# Allegro board FEE5_10_30.brd (continued)
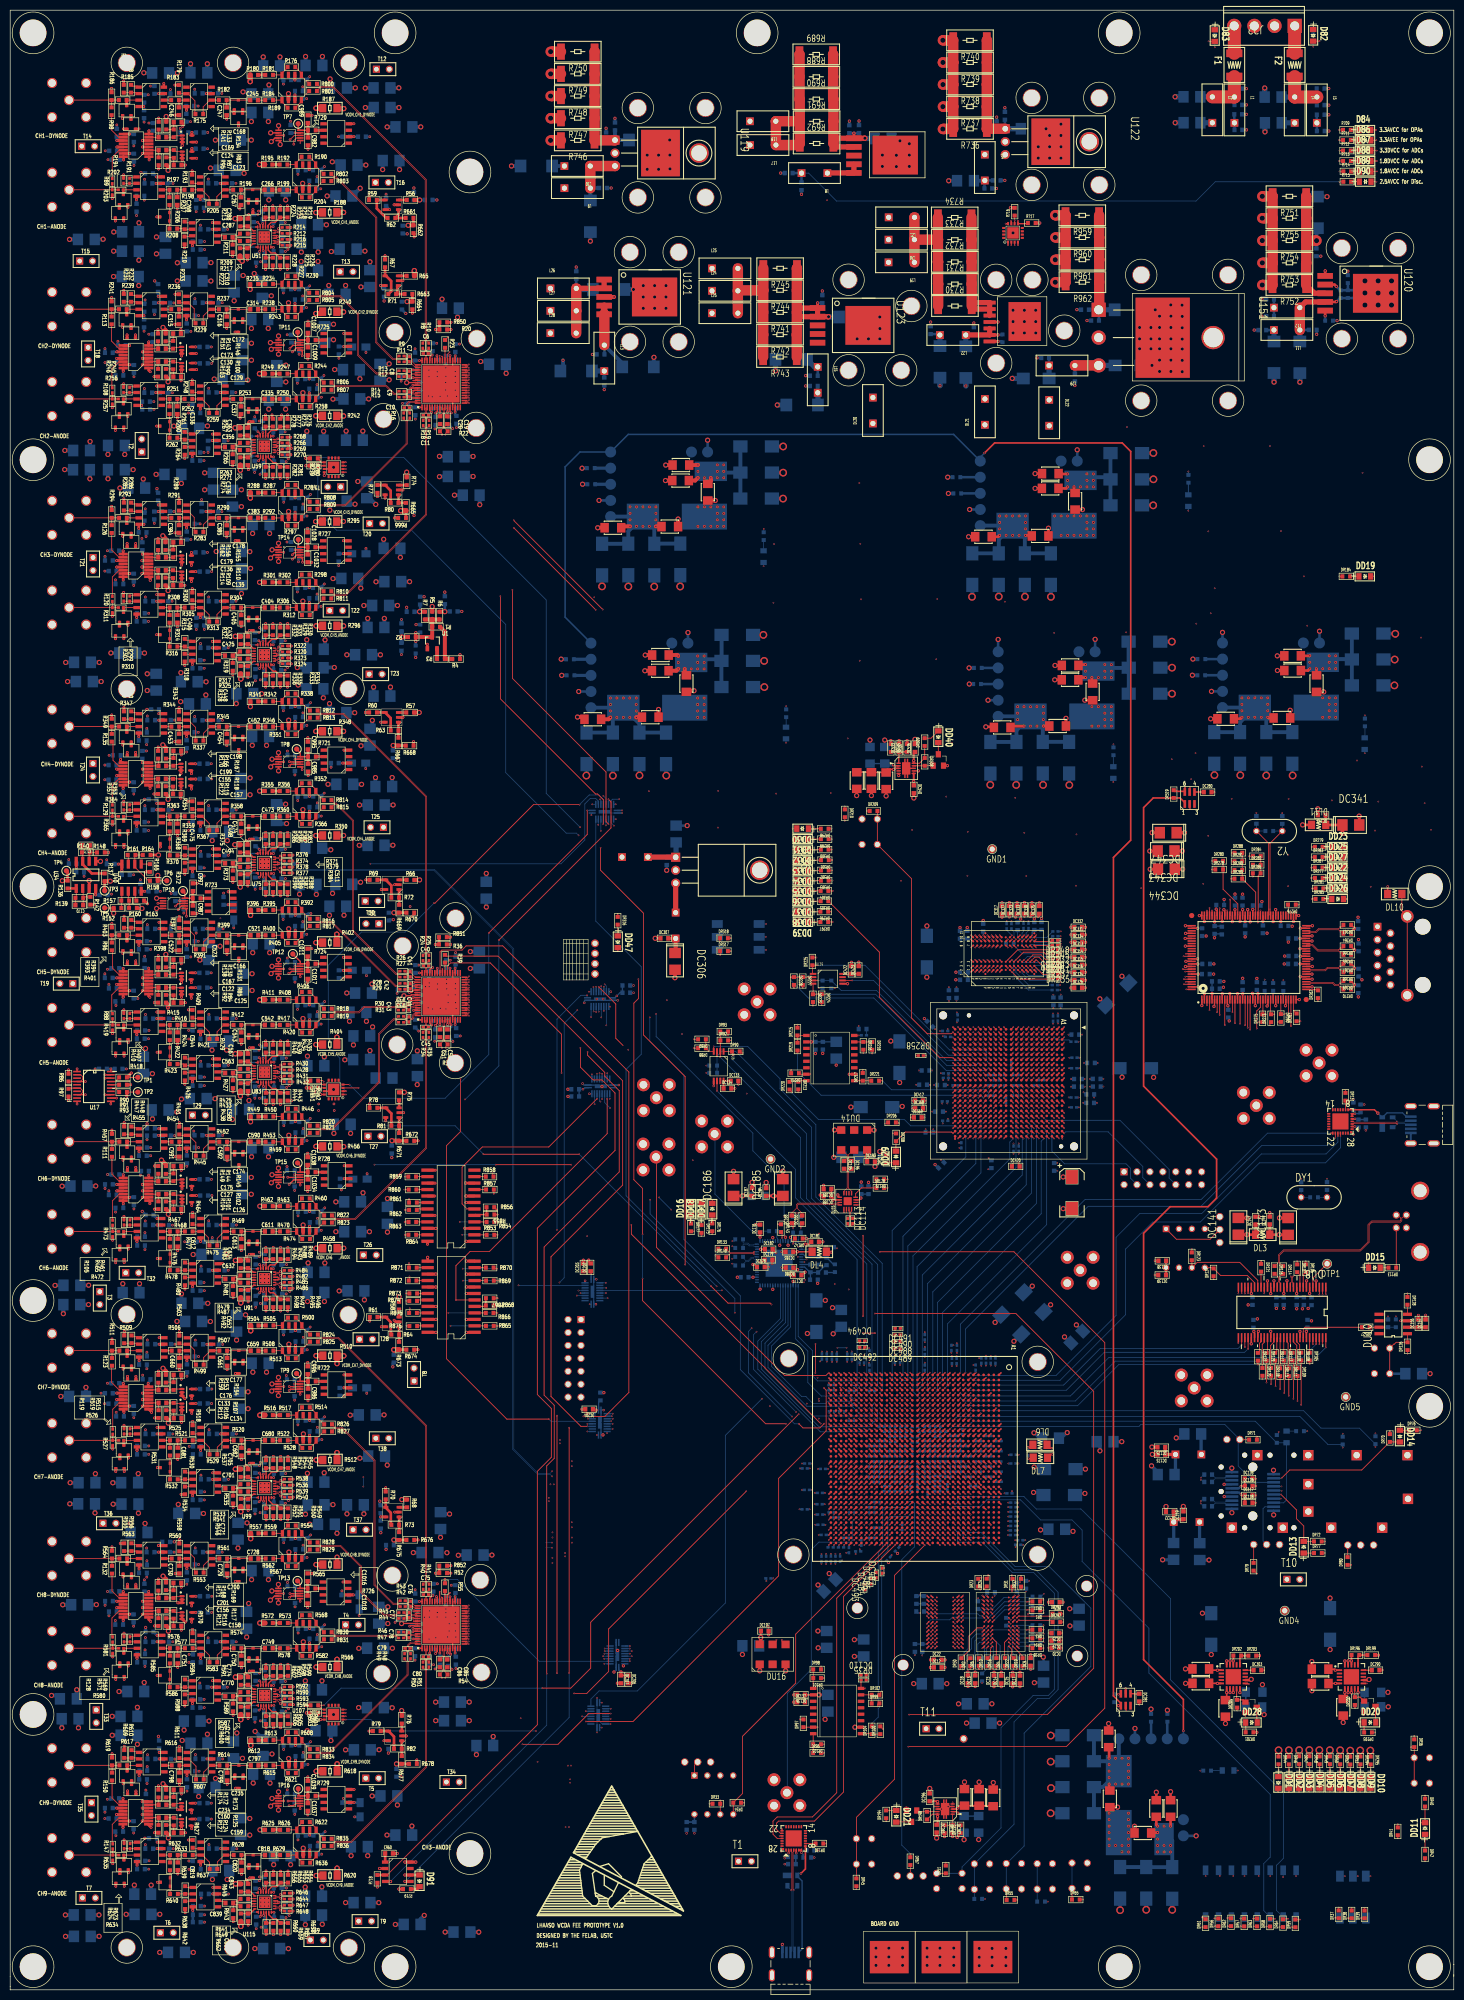
[diagram p0: board, top side]
## Placement (name value [footprint] x y rotation side) (continued)
C240  0.01uF  [SC0603]  20.65 200.59 0 bottom
C241  0.01uF  [SC0603]  20.15 196.64 0 bottom
C242  0.01uF  [SC0603]  20.68 160.09 0 bottom
C243  0.01uF  [SC0603]  26.48 160.79 0 bottom
C244  0.01uF  [SC0603]  20.14 156.08 0 bottom
C245  10nF  [SC0603]  47.91 371.06 0 top
C246  100p  [SC0603]  33.15 368.9 270 top
C247  100p  [SC0603]  42.53 368.87 270 top
C248  0.01uF  [SC0603]  37.02 372.39 180 bottom
C249  0.1uF  [SC0603]  40.04 372.39 0 bottom
C251  0.01uF  [SC0603]  56.7 372.85 0 bottom
C252  0.01uF  [SC0603]  30.72 372.31 0 bottom
C253  0.1uF  [SC0603]  28.35 373.07 90 bottom
C255  0.1uF  [SC0603]  56.7 371.35 0 bottom
C257  0.01uF  [SC0603]  26.3 371.35 90 bottom
C258  0.1uF  [SC0603]  26.3 368.3 270 bottom
C259  10uF  [STC3528]  69.11 17.12 180 bottom
C260  0.01uF  [SC0603]  35.37 369.9 0 bottom
C261  0.1uF  [SC0603]  34.6 367.59 270 bottom
C263  0.01uF  [SC0603]  57.44 375.03 0 bottom
C264  0.1uF  [SC0603]  54.44 375.03 180 bottom
C266  10nF  [SC0603]  50.73 353.46 0 top
C267  100p  [SC0603]  45.33 351.24 270 top
C268  100p  [SC0603]  32.82 351.25 270 top
C269  0.01uF  [SC0603]  59.47 353.65 0 bottom
C270  0.1uF  [SC0603]  59.52 355.22 0 bottom
C272  0.01uF  [SC0603]  39.68 354.74 180 bottom
C273  0.1uF  [SC0603]  42.81 354.74 0 bottom
C275  0.01uF  [SC0603]  60.26 357.33 0 bottom
C276  0.1uF  [SC0603]  57.29 357.33 180 bottom
C278  0.01uF  [SC0603]  36.53 350.7 270 bottom
C279  0.1uF  [SC0603]  38.08 350.7 270 bottom
C281  0.01uF  [SC0603]  27.16 354.71 180 bottom
C282  0.1uF  [SC0603]  30.16 354.71 0 bottom
C284  0.01uF  [SC0603]  24.82 349.94 270 bottom
C285  0.1uF  [SC0603]  25.59 352.25 0 bottom
C287  1n  [SC0603]  42.94 344.13 0 top
C288  10nF  [SC0603]  46.64 347.04 270 top
C289  0.01uF  [SC0603]  38.13 345.7 180 bottom
C291  0.1uF  [SC0603]  41.18 345.7 0 bottom
C292  0.01uF  [SC0603]  36.61 343.31 0 bottom
C293  0.1uF  [SC0603]  36.64 341.71 0 bottom
C295  0.01uF  [SC0603]  47.84 347.88 90 bottom
C296  0.1uF  [SC0603]  48.32 339.93 270 bottom
C298  0.01uF  [SC0603]  49.62 348.41 90 bottom
C299  0.1uF  [SC0603]  50 340.08 270 bottom
C301  0.01uF  [SC0603]  52.49 347.04 0 bottom
C302  0.1uF  [SC0603]  52.51 341.35 0 bottom
C303  10uF  [STC3528]  73.45 179.04 0 bottom
C304  0.01uF  [SC0603]  72.79 94.37 90 bottom
C310  10nF  [SC0603]  46.59 341.23 90 top
C311  0.01uF  [SC0603]  53.63 343.46 270 bottom
C314  10nF  [SC0603]  47.92 329.99 0 top
C315  100p  [SC0603]  33.16 327.83 270 top
C316  100p  [SC0603]  42.54 327.81 270 top
C317  0.01uF  [SC0603]  40.12 331.3 0 bottom
C318  0.1uF  [SC0603]  37.04 331.27 180 bottom
C319  10uF  [STC3528]  49.11 123.05 180 bottom
C320  0.01uF  [SC0603]  56.68 330.3 0 bottom
C321  0.1uF  [SC0603]  56.7 331.9 0 bottom
C322  0.01uF  [SC0603]  28.33 330.48 270 bottom
C323  0.1uF  [SC0603]  30.62 331.24 0 bottom
C324  10uF  [STC3528]  41.29 186.31 180 bottom
C325  10uF  [STC3528]  74.1 152.08 270 bottom
C326  0.01uF  [SC0603]  26.32 330.28 90 bottom
C327  0.1uF  [SC0603]  26.3 327.23 270 bottom
C328  0.01uF  [SC0603]  35.47 328.76 0 bottom
C329  0.1uF  [SC0603]  34.68 326.42 270 bottom
C330  10uF  [STC3528]  39.98 296.24 90 bottom
C331  0.01uF  [SC0603]  57.51 333.96 0 bottom
C332  0.1uF  [SC0603]  54.42 333.96 180 bottom
C333  10uF  [STC3528]  43.38 316.29 180 bottom
C334  10uF  [STC3528]  23.52 95.38 180 bottom
C335  10nF  [SC0603]  50.74 312.39 0 top
C336  100p  [SC0603]  32.83 310.19 270 top
C337  100p  [SC0603]  45.34 310.17 270 top
C338  0.01uF  [SC0603]  59.6 312.73 0 bottom
C339  0.1uF  [SC0603]  59.52 314.38 0 bottom
C340  10uF  [STC3528]  23.47 99.59 180 bottom
C341  0.01uF  [SC0603]  42.83 313.67 0 bottom
C342  0.1uF  [SC0603]  39.76 313.67 180 bottom
C343  10uF  [STC3528]  44.46 130.89 90 bottom
C344  0.01uF  [SC0603]  60.28 316.33 0 bottom
C345  0.1uF  [SC0603]  57.18 316.31 180 bottom
C346  10uF  [STC3528]  46.43 72.57 90 bottom
C347  0.01uF  [SC0603]  36.61 311.23 180 bottom
C348  0.1uF  [SC0603]  36.59 309.63 180 bottom
C349  10uF  [STC3528]  44.95 115.76 90 bottom
C350  0.01uF  [SC0603]  30.18 313.59 0 bottom
C351  0.1uF  [SC0603]  27.11 313.62 180 bottom
C352  10uF  [STC3528]  43.86 47.13 90 bottom
C353  0.01uF  [SC0603]  26.68 311.86 0 bottom
C354  0.1uF  [SC0603]  26.7 310.34 0 bottom
C355  10uF  [STC3528]  44.76 90.05 90 bottom
C356  1n  [SC0603]  42.95 302.96 0 top
C357  0.01uF  [SC0603]  41.26 304.19 0 bottom
C358  0.1uF  [SC0603]  38.87 303.43 270 bottom
C359  0.01uF  [SC0603]  48.04 307.39 90 bottom
C360  0.1uF  [SC0603]  48.02 299.47 270 bottom
C361  10uF  [STC3528]  49.07 82.32 180 bottom
C362  10uF  [STC3528]  26.09 14.81 180 bottom
C363  10nF  [SC0603]  46.62 305.97 270 top
C364  0.01uF  [SC0603]  49.64 307.29 90 bottom
C365  0.1uF  [SC0603]  49.82 298.96 270 bottom
C366  10uF  [STC3528]  51.36 8.1 180 bottom
C367  0.01uF  [SC0603]  36.53 301.88 0 bottom
C368  0.1uF  [SC0603]  36.53 300.28 0 bottom
C369  10uF  [STC3528]  26.16 181.55 90 bottom
C370  0.01uF  [SC0603]  53.7 302.29 270 bottom
C371  0.1uF  [SC0603]  52.46 305.92 0 bottom
C372  10uF  [STC3528]  59.61 18.37 180 bottom
C375  10uF  [STC3528]  26.03 18.78 180 bottom
C376  10nF  [SC0603]  46.67 300.15 90 top
C379  10uF  [STC3528]  14.14 14.71 180 bottom
C380  0.01uF  [SC0603]  52.61 300.08 0 bottom
C382  10uF  [STC3528]  59.62 14.67 180 bottom
C383  10nF  [SC0603]  47.94 289.02 0 top
C384  100p  [SC0603]  33.18 286.86 270 top
C385  100p  [SC0603]  42.55 286.83 270 top
C386  0.01uF  [SC0603]  37.6 291.06 90 bottom
C387  0.1uF  [SC0603]  40.04 290.27 0 bottom
C388  0.01uF  [SC0603]  56.75 290.93 0 bottom
C389  0.1uF  [SC0603]  56.75 289.41 0 bottom
C390  0.01uF  [SC0603]  28.3 289.51 270 bottom
C391  0.1uF  [SC0603]  30.62 290.3 0 bottom
C392  10uF  [STC3528]  73.03 254.04 180 bottom
C393  10uF  [STC3528]  42.64 357.3 180 bottom
C394  10uF  [STC3528]  67.27 148.87 180 bottom
C395  0.01uF  [SC0603]  35.47 287.86 0 bottom
C396  0.1uF  [SC0603]  34.68 285.55 270 bottom
C397  10uF  [STC3528]  78.96 12.83 180 bottom
C398  0.01uF  [SC0603]  57.51 292.94 0 bottom
C399  0.1uF  [SC0603]  54.49 292.94 180 bottom
C400  10uF  [STC3528]  45.74 197.88 90 bottom
C401  0.01uF  [SC0603]  26.37 289.26 90 bottom
C402  0.1uF  [SC0603]  26.02 286.18 0 bottom
C403  10uF  [STC3528]  64.36 212.77 180 bottom
C404  10nF  [SC0603]  50.75 271.42 0 top
C405  100p  [SC0603]  45.36 269.2 270 top
C406  100p  [SC0603]  32.85 269.21 270 top
C407  0.01uF  [SC0603]  59.52 273.26 0 bottom
C408  0.1uF  [SC0603]  59.52 271.66 0 bottom
C409  10uF  [STC3528]  45.58 157.89 90 bottom
C410  0.01uF  [SC0603]  39.76 272.67 180 bottom
C411  0.1uF  [SC0603]  42.81 272.67 0 bottom
C412  10uF  [STC3528]  52.33 231.17 90 bottom
C413  0.01uF  [SC0603]  57.18 275.31 180 bottom
C414  0.1uF  [SC0603]  60.26 275.31 0 bottom
C415  10uF  [STC3528]  34.67 93.55 180 bottom
C416  0.01uF  [SC0603]  36.56 268.66 270 bottom
C417  0.1uF  [SC0603]  38.13 268.68 270 bottom
C418  10uF  [STC3528]  67.83 95.24 180 bottom
C419  0.01uF  [SC0603]  27.31 272.67 180 bottom
C420  0.1uF  [SC0603]  30.26 272.67 0 bottom
C421  10uF  [STC3528]  38.68 39.74 180 bottom
C422  0.01uF  [SC0603]  25.66 270.31 0 bottom
C423  0.1uF  [SC0603]  25.61 268.71 0 bottom
C424  10uF  [STC3528]  75 283.06 180 bottom
C425  1n  [SC0603]  42.96 261.99 0 top
C426  0.01uF  [SC0603]  48.08 265.79 90 bottom
C427  0.1uF  [SC0603]  48.17 258.59 270 bottom
C428  10uF  [STC3528]  61.64 50.89 180 bottom
C429  0.01uF  [SC0603]  38.14 263.52 180 bottom
C430  0.1uF  [SC0603]  41.29 263.51 0 bottom
C431  10uF  [STC3528]  15.08 99.57 180 bottom
C432  10nF  [SC0603]  46.69 265 270 top
C433  0.01uF  [SC0603]  49.84 266.34 90 bottom
C434  0.1uF  [SC0603]  49.95 257.99 270 bottom
C435  10uF  [STC3528]  15.01 95.43 180 bottom
C436  0.01uF  [SC0603]  36.56 261.08 0 bottom
C437  0.1uF  [SC0603]  36.57 259.5 0 bottom
C438  10uF  [STC3528]  35.29 134.81 180 bottom
C439  0.01uF  [SC0603]  52.49 264.9 0 bottom
C440  0.1uF  [SC0603]  52.46 259.15 0 bottom
C441  10uF  [STC3528]  60.09 95.23 180 bottom
C444  10uF  [STC3528]  72.78 271.83 180 bottom
C445  0.01uF  [SC0603]  247.5 331.94 180 bottom
C447  10uF  [STC3528]  67.27 154.73 180 bottom
C448  10nF  [SC0603]  46.69 259.18 90 top
C449  0.01uF  [SC0603]  53.77 261.36 270 bottom
C451  10uF  [STC3528]  60.08 99.69 180 bottom
C452  10nF  [SC0603]  47.95 248.04 0 top
C453  100p  [SC0603]  33.19 245.87 270 top
C454  100p  [SC0603]  42.56 245.85 270 top
C455  0.01uF  [SC0603]  40.16 249.3 0 bottom
C456  0.1uF  [SC0603]  37 249.29 180 bottom
C457  10uF  [STC3528]  30.51 342.55 270 bottom
C458  0.01uF  [SC0603]  56.74 249.9 0 bottom
C459  0.1uF  [SC0603]  56.73 248.28 0 bottom
C460  10uF  [STC3528]  36.03 131.25 180 bottom
C461  0.01uF  [SC0603]  30.78 249.32 0 bottom
C462  0.1uF  [SC0603]  27.7 249.31 180 bottom
C463  10uF  [STC3528]  12.09 134.54 180 bottom
C464  0.01uF  [SC0603]  35.45 246.93 0 bottom
C465  0.1uF  [SC0603]  34.65 244.6 270 bottom
C466  10uF  [STC3528]  69.43 262.16 180 bottom
C467  0.01uF  [SC0603]  54.42 251.97 180 bottom
C468  0.1uF  [SC0603]  57.54 251.97 0 bottom
C469  0.01uF  [SC0603]  26.09 246.89 0 bottom
C470  0.1uF  [SC0603]  26.04 245.32 0 bottom
C471  10uF  [STC3528]  65.23 169.95 180 bottom
C472  10uF  [STC3528]  11.42 57.14 180 bottom
C473  10nF  [SC0603]  50.76 230.43 0 top
C474  100p  [SC0603]  45.37 228.21 270 top
C475  100p  [SC0603]  32.86 228.23 270 top
C476  0.01uF  [SC0603]  59.57 230.48 0 bottom
C477  0.1uF  [SC0603]  59.56 232.24 0 bottom
C478  10uF  [STC3528]  13.5 157.84 180 bottom
C479  0.01uF  [SC0603]  39.75 231.72 180 bottom
C480  0.1uF  [SC0603]  42.82 231.68 0 bottom
C481  10uF  [STC3528]  45.34 236.32 90 bottom
C482  0.01uF  [SC0603]  57.25 234.34 180 bottom
C483  0.1uF  [SC0603]  60.31 234.35 0 bottom
C484  10uF  [STC3528]  53.42 26.35 180 bottom
C485  0.01uF  [SC0603]  36.6 227.67 180 bottom
C486  0.1uF  [SC0603]  36.64 229.31 180 bottom
C487  10uF  [STC3528]  71.86 267.52 180 bottom
C488  0.01uF  [SC0603]  27.22 231.71 180 bottom
C489  0.1uF  [SC0603]  30.34 231.71 0 bottom
C490  10uF  [STC3528]  45.28 32.03 90 bottom
C491  0.01uF  [SC0603]  25.64 229.3 0 bottom
C492  0.1uF  [SC0603]  25.63 227.66 0 bottom
C493  10uF  [STC3528]  23.75 136.88 180 bottom
C494  1n  [SC0603]  42.98 221.21 0 top
C495  0.01uF  [SC0603]  41.3 222.77 0 bottom
C496  0.1uF  [SC0603]  38.19 222.75 180 bottom
C497  10uF  [STC3528]  67.93 137.25 180 bottom
C498  10nF  [SC0603]  46.62 224.09 270 top
C499  0.01uF  [SC0603]  48.18 225.32 90 bottom
C500  0.1uF  [SC0603]  48.12 217.65 270 bottom
C501  10uF  [STC3528]  25.32 89.8 180 bottom
C502  0.01uF  [SC0603]  36.57 220.31 0 bottom
C503  0.1uF  [SC0603]  36.57 218.72 0 bottom
C504  10uF  [STC3528]  65.53 217.08 180 bottom
C505  0.01uF  [SC0603]  49.96 225.34 90 bottom
C506  0.1uF  [SC0603]  49.93 217.02 270 bottom
C507  10uF  [STC3528]  69.18 47.11 180 bottom
C508  0.01uF  [SC0603]  52.53 223.96 0 bottom
C509  0.1uF  [SC0603]  52.52 218.2 0 bottom
C510  10uF  [STC3528]  60.1 140.88 180 bottom
C511  10nF  [SC0603]  46.68 218.3 90 top
C514  10uF  [STC3528]  66.71 277.15 180 bottom
C515  0.01uF  [SC0603]  247.5 328.63 180 bottom
C517  10uF  [STC3528]  49.66 47.57 270 bottom
C518  0.01uF  [SC0603]  54.84 221.1 0 bottom
C520  10uF  [STC3528]  60.07 136.93 180 bottom
C521  10nF  [SC0603]  47.97 207.07 0 top
C522  100p  [SC0603]  33.21 204.9 270 top
C523  100p  [SC0603]  42.58 204.88 270 top
C524  0.01uF  [SC0603]  37.07 208.34 180 bottom
C525  0.1uF  [SC0603]  40.18 208.34 0 bottom
C526  10uF  [STC3528]  14.17 10.5 180 bottom
C527  0.01uF  [SC0603]  56.71 207.26 0 bottom
C528  0.1uF  [SC0603]  56.71 208.87 0 bottom
C529  10uF  [STC3528]  36.95 175 180 bottom
C530  0.01uF  [SC0603]  30.79 208.34 0 bottom
C531  0.1uF  [SC0603]  27.7 208.33 180 bottom
C532  10uF  [STC3528]  69.03 182.66 180 bottom
C533  0.01uF  [SC0603]  26.06 205.91 0 bottom
C534  0.1uF  [SC0603]  26.05 204.32 0 bottom
C535  0.01uF  [SC0603]  35.49 205.91 0 bottom
C536  0.1uF  [SC0603]  34.68 203.59 270 bottom
C537  10uF  [STC3528]  69.07 187.3 180 bottom
C538  0.01uF  [SC0603]  54.38 210.99 180 bottom
C539  0.1uF  [SC0603]  57.52 210.99 0 bottom
C540  10uF  [STC3528]  49.08 165.35 180 bottom
C541  10uF  [STC3528]  35.45 306.62 180 bottom
C542  10nF  [SC0603]  50.78 189.46 0 top
C543  100p  [SC0603]  45.39 187.24 270 top
C544  100p  [SC0603]  32.88 187.26 270 top
C545  0.01uF  [SC0603]  59.57 189.64 0 bottom
C546  0.1uF  [SC0603]  59.57 191.29 0 bottom
C547  10uF  [STC3528]  67.12 312.38 180 bottom
C548  0.01uF  [SC0603]  39.8 190.74 180 bottom
C549  0.1uF  [SC0603]  42.87 190.74 0 bottom
C550  10uF  [STC3528]  23.34 49.98 180 bottom
C551  0.01uF  [SC0603]  57.22 193.37 180 bottom
C552  0.1uF  [SC0603]  60.31 193.37 0 bottom
C553  10uF  [STC3528]  41.36 227.44 180 bottom
C554  0.01uF  [SC0603]  36.62 188.4 180 bottom
C555  0.1uF  [SC0603]  36.63 186.71 180 bottom
C556  10uF  [STC3528]  39.05 203.87 270 bottom
C557  0.01uF  [SC0603]  30.39 190.7 0 bottom
C558  0.1uF  [SC0603]  27.33 190.7 180 bottom
C559  10uF  [STC3528]  68.33 191.96 180 bottom
C560  0.01uF  [SC0603]  25.72 188.39 0 bottom
C561  0.1uF  [SC0603]  25.65 186.75 0 bottom
C562  10uF  [STC3528]  69.41 195.74 180 bottom
C563  1n  [SC0603]  42.99 180.04 0 top
C564  10uF  [STC3528]  49.38 42.37 180 bottom
C565  0.01uF  [SC0603]  41.31 181.54 0 bottom
C566  0.1uF  [SC0603]  38.19 181.52 180 bottom
C567  10nF  [SC0603]  46.69 183.05 270 top
C568  0.01uF  [SC0603]  36.61 179.22 0 bottom
C569  0.1uF  [SC0603]  36.6 177.54 0 bottom
C570  10uF  [STC3528]  52.44 312.15 180 bottom
C571  0.01uF  [SC0603]  48.12 183.74 90 bottom
C572  0.1uF  [SC0603]  48.07 176.62 270 bottom
C573  10uF  [STC3528]  71.87 224.73 180 bottom
C574  0.01uF  [SC0603]  49.91 184.46 90 bottom
C575  0.1uF  [SC0603]  49.81 175.84 270 bottom
C576  10uF  [STC3528]  24.86 294.89 0 bottom
C577  0.01uF  [SC0603]  52.64 182.95 0 bottom
C578  0.1uF  [SC0603]  52.61 177.18 0 bottom
C579  10uF  [STC3528]  60.05 181.43 180 bottom
C580  10nF  [SC0603]  46.7 177.25 90 top
C583  10uF  [STC3528]  41.36 23.43 180 bottom
C585  0.1uF  [SC0603]  20.62 37.6 180 bottom
C587  0.01uF  [SC0603]  54.14 179.36 270 bottom
C589  10uF  [STC3528]  45.26 172.88 180 bottom
C590  10nF  [SC0603]  47.99 166.52 0 top
C591  100p  [SC0603]  33.23 164.36 270 top
C592  100p  [SC0603]  42.6 164.33 270 top
C593  0.01uF  [SC0603]  36.98 167.81 180 bottom
C594  0.1uF  [SC0603]  40.21 167.81 0 bottom
C595  10uF  [STC3528]  65.73 236.71 180 bottom
C596  0.01uF  [SC0603]  56.79 168.34 0 bottom
C597  0.1uF  [SC0603]  56.77 166.75 0 bottom
C598  10uF  [STC3528]  77.32 30.38 180 bottom
C599  0.01uF  [SC0603]  27.64 167.73 180 bottom
C600  0.1uF  [SC0603]  30.77 167.73 0 bottom
C601  10uF  [STC3528]  64.38 250.78 180 bottom
C602  0.01uF  [SC0603]  35.49 165.39 0 bottom
C603  0.1uF  [SC0603]  34.7 163.05 270 bottom
C604  10uF  [STC3528]  49.29 287.75 180 bottom
C605  0.01uF  [SC0603]  54.52 170.45 180 bottom
C606  0.1uF  [SC0603]  57.55 170.45 0 bottom
C607  10uF  [STC3528]  67.62 304.3 180 bottom
C608  0.01uF  [SC0603]  26.08 165.39 0 bottom
C609  0.1uF  [SC0603]  26.06 163.77 0 bottom
C610  10uF  [STC3528]  88.74 11.34 180 bottom
C611  10nF  [SC0603]  50.8 148.92 0 top
C612  100p  [SC0603]  32.9 146.71 270 top
C613  100p  [SC0603]  45.41 146.7 270 top
C614  0.1uF  [SC0603]  59.62 150.71 0 bottom
C615  10uF  [STC3528]  43.64 292.9 270 bottom
C616  0.01uF  [SC0603]  59.6 149.14 0 bottom
C617  0.01uF  [SC0603]  39.76 150.18 180 bottom
C618  0.1uF  [SC0603]  42.89 150.18 0 bottom
C619  10uF  [STC3528]  29.45 172.77 180 bottom
C620  0.01uF  [SC0603]  57.3 152.79 180 bottom
C621  0.1uF  [SC0603]  60.34 152.81 0 bottom
C622  10uF  [STC3528]  71.92 232.66 180 bottom
C623  0.01uF  [SC0603]  35.82 146.88 180 bottom
C624  0.1uF  [SC0603]  38.93 146.88 0 bottom
C625  10uF  [STC3528]  28.69 256.78 90 bottom
C626  0.01uF  [SC0603]  27.3 150.19 180 bottom
C627  0.1uF  [SC0603]  30.4 150.16 0 bottom
C628  10uF  [STC3528]  35.19 256.86 180 bottom
C629  0.01uF  [SC0603]  25.7 147.87 0 bottom
C630  0.1uF  [SC0603]  25.71 146.15 0 bottom
C631  10uF  [STC3528]  64.44 292.32 180 bottom
C632  1n  [SC0603]  43.03 139.59 0 top
C633  0.01uF  [SC0603]  38.26 141.27 180 bottom
C634  10nF  [SC0603]  46.71 142.46 270 top
C635  0.1uF  [SC0603]  41.33 141.29 0 bottom
C636  10uF  [STC3528]  74.4 38.06 180 bottom
C637  0.01uF  [SC0603]  48.2 143.2 90 bottom
C638  0.1uF  [SC0603]  48.24 135.51 270 bottom
C639  10uF  [STC3528]  23.33 53.69 180 bottom
C640  0.01uF  [SC0603]  36.59 138.89 0 bottom
C641  0.1uF  [SC0603]  36.6 137.29 0 bottom
C642  10uF  [STC3528]  11.77 53.22 180 bottom
C643  0.01uF  [SC0603]  49.99 143.74 90 bottom
C644  0.1uF  [SC0603]  49.96 135.55 270 bottom
C645  10uF  [STC3528]  45.62 321.64 90 bottom
C646  0.01uF  [SC0603]  52.5 142.4 0 bottom
C647  0.1uF  [SC0603]  52.65 136.66 0 bottom
C648  10uF  [STC3528]  59.64 224.18 180 bottom
C651  10uF  [STC3528]  24.68 58.58 180 bottom
C652  10nF  [SC0603]  46.73 136.66 90 top
C653  0.01uF  [SC0603]  26.66 37.68 90 bottom
C654  0.1uF  [SC0603]  26.37 78.96 90 bottom
C655  10uF  [STC3528]  35.76 52.78 180 bottom
C656  0.01uF  [SC0603]  54.13 138.89 270 bottom
C658  10uF  [STC3528]  58.53 217.06 180 bottom
C659  10nF  [SC0603]  48.01 125.49 0 top
C660  100p  [SC0603]  33.24 123.33 270 top
C661  100p  [SC0603]  42.62 123.31 270 top
C662  0.01uF  [SC0603]  37.12 126.76 180 bottom
C663  0.1uF  [SC0603]  40.21 126.74 0 bottom
C664  10uF  [STC3528]  59.87 255.47 0 bottom
C665  0.01uF  [SC0603]  56.8 125.67 0 bottom
C666  0.1uF  [SC0603]  56.81 127.31 0 bottom
C667  10uF  [STC3528]  14.04 302.26 180 bottom
C668  0.01uF  [SC0603]  27.71 126.78 180 bottom
C669  0.1uF  [SC0603]  30.83 126.78 0 bottom
C670  10uF  [STC3528]  49.2 246.14 180 bottom
C671  0.01uF  [SC0603]  35.46 124.35 0 bottom
C672  0.1uF  [SC0603]  34.72 122.03 270 bottom
C673  10uF  [STC3528]  49.3 205.43 180 bottom
C674  0.01uF  [SC0603]  26.09 124.39 0 bottom
C675  0.1uF  [SC0603]  26.08 122.77 0 bottom
C676  10uF  [STC3528]  43.67 363.24 180 bottom
C677  0.01uF  [SC0603]  54.46 129.43 180 bottom
C678  0.1uF  [SC0603]  57.5 129.43 0 bottom
C679  10uF  [STC3528]  13.63 75.61 180 bottom
C680  10nF  [SC0603]  50.82 107.89 0 top
C681  100p  [SC0603]  32.91 105.69 270 top
C682  100p  [SC0603]  45.42 105.67 270 top
C683  0.01uF  [SC0603]  59.57 108.05 0 bottom
C684  0.1uF  [SC0603]  59.58 109.67 0 bottom
C685  10uF  [STC3528]  14.57 256.9 0 bottom
C686  0.01uF  [SC0603]  39.83 109.16 180 bottom
C687  0.1uF  [SC0603]  42.89 109.16 0 bottom
C688  10uF  [STC3528]  14 298.49 180 bottom
C689  0.01uF  [SC0603]  57.28 111.79 180 bottom
C690  0.1uF  [SC0603]  60.32 111.77 0 bottom
C691  10uF  [STC3528]  70.06 294.55 90 bottom
C692  0.01uF  [SC0603]  36.66 105.14 180 bottom
C693  0.1uF  [SC0603]  36.71 106.73 180 bottom
C694  10uF  [STC3528]  20.85 298.5 180 bottom
C695  0.01uF  [SC0603]  27.34 109.15 180 bottom
C696  0.1uF  [SC0603]  30.41 109.15 0 bottom
C697  10uF  [STC3528]  65.56 352.24 180 bottom
C698  0.01uF  [SC0603]  25.68 105.15 0 bottom
C699  0.1uF  [SC0603]  25.69 106.79 0 bottom
C700  10uF  [STC3528]  36.79 252.49 180 bottom
C701  1n  [SC0603]  43.03 98.46 0 top
C702  0.01uF  [SC0603]  38.23 100.25 180 bottom
C703  0.1uF  [SC0603]  41.33 100.24 0 bottom
C704  10uF  [STC3528]  32.67 7.35 180 bottom
C705  10nF  [SC0603]  46.71 101.47 270 top
C706  0.01uF  [SC0603]  48.15 102.28 90 bottom
C707  0.1uF  [SC0603]  48.09 95 270 bottom
C708  10uF  [STC3528]  73.05 373.45 180 bottom
C709  0.01uF  [SC0603]  36.61 96.2 0 bottom
C710  0.1uF  [SC0603]  36.65 97.79 0 bottom
C711  10uF  [STC3528]  73.07 369.6 180 bottom
C712  0.01uF  [SC0603]  49.95 102.79 90 bottom
C713  0.1uF  [SC0603]  49.9 94.44 270 bottom
C714  10uF  [STC3528]  43.98 334.97 90 bottom
C715  0.01uF  [SC0603]  52.57 101.38 0 bottom
C716  0.1uF  [SC0603]  52.52 95.66 0 bottom
C717  10uF  [STC3528]  59.94 263.23 180 bottom
C720  10uF  [STC3528]  73.38 236.27 180 bottom
C721  10nF  [SC0603]  46.74 95.66 90 top
C722  0.01uF  [SC0603]  20.13 33.63 180 bottom
C723  0.1uF  [SC0603]  20.16 74.26 180 bottom
C724  10uF  [STC3528]  70.68 245.98 270 bottom
C725  0.01uF  [SC0603]  54.17 97.86 270 bottom
C727  10uF  [STC3528]  59.93 259.59 180 bottom
C728  10nF  [SC0603]  48 84.67 0 top
C729  100p  [SC0603]  42.61 82.49 270 top
C730  100p  [SC0603]  33.23 82.51 270 top
C731  0.01uF  [SC0603]  37.11 85.95 180 bottom
C732  0.1uF  [SC0603]  40.11 85.94 0 bottom
C733  10uF  [STC3528]  71.75 55.41 180 bottom
C734  0.01uF  [SC0603]  56.77 84.88 0 bottom
C735  0.1uF  [SC0603]  56.78 86.49 0 bottom
C736  10uF  [STC3528]  58.82 337.61 180 bottom
C737  0.01uF  [SC0603]  27.56 85.94 180 bottom
C738  0.1uF  [SC0603]  30.65 85.94 0 bottom
C739  10uF  [STC3528]  70.67 336.02 90 bottom
C740  0.01uF  [SC0603]  35.48 83.53 0 bottom
C741  0.1uF  [SC0603]  34.7 81.2 270 bottom
C742  10uF  [STC3528]  14.2 260.67 180 bottom
C743  0.01uF  [SC0603]  54.49 88.61 180 bottom
C744  0.1uF  [SC0603]  57.56 88.61 0 bottom
C745  0.01uF  [SC0603]  26.09 83.44 0 bottom
C746  0.1uF  [SC0603]  26.07 81.87 0 bottom
C747  10uF  [STC3528]  23.08 262.5 180 bottom
C748  10uF  [STC3528]  31.97 297.58 180 bottom
C749  10nF  [SC0603]  50.81 67.07 0 top
C750  100p  [SC0603]  45.42 64.85 270 top
C751  100p  [SC0603]  32.91 64.87 270 top
C752  0.01uF  [SC0603]  59.55 67.36 0 bottom
C753  0.1uF  [SC0603]  59.56 68.93 0 bottom
C754  10uF  [STC3528]  52.47 353.25 180 bottom
C755  0.01uF  [SC0603]  39.64 68.33 180 bottom
C756  0.1uF  [SC0603]  42.86 68.33 0 bottom
C757  10uF  [STC3528]  14.96 343.72 180 bottom
C758  0.01uF  [SC0603]  57.32 70.9 180 bottom
C759  0.1uF  [SC0603]  60.3 70.89 0 bottom
C760  10uF  [STC3528]  66.57 358.32 180 bottom
C761  0.01uF  [SC0603]  36.65 64.3 180 bottom
C762  0.1uF  [SC0603]  36.69 65.87 180 bottom
C763  10uF  [STC3528]  64.23 332.9 180 bottom
C764  0.01uF  [SC0603]  27.33 68.33 180 bottom
C765  0.1uF  [SC0603]  30.4 68.34 0 bottom
C766  10uF  [STC3528]  59.67 377.86 180 bottom
C767  0.01uF  [SC0603]  25.72 65.94 0 bottom
C768  0.1uF  [SC0603]  25.7 64.31 0 bottom
C769  10uF  [STC3528]  67.04 318.14 180 bottom
C770  1n  [SC0603]  43.02 57.64 0 top
C771  10uF  [STC3528]  66.39 341.81 180 bottom
C772  0.01uF  [SC0603]  38.02 59.43 180 bottom
C773  0.1uF  [SC0603]  41.17 59.43 0 bottom
C774  10nF  [SC0603]  46.72 60.65 270 top
C775  0.01uF  [SC0603]  36.57 55.42 0 bottom
C776  0.1uF  [SC0603]  36.55 57.04 0 bottom
C777  10uF  [STC3528]  43.78 282.45 0 bottom
C778  0.01uF  [SC0603]  48.18 61.44 90 bottom
C779  0.1uF  [SC0603]  48.09 54.1 270 bottom
C780  10uF  [STC3528]  45.45 277.48 90 bottom
C781  0.01uF  [SC0603]  49.98 61.96 90 bottom
C782  0.1uF  [SC0603]  49.95 53.57 270 bottom
C783  10uF  [STC3528]  52.37 317.38 90 bottom
C784  0.01uF  [SC0603]  52.53 60.57 0 bottom
C785  0.1uF  [SC0603]  52.6 54.62 0 bottom
C786  10uF  [STC3528]  59.93 304.27 180 bottom
C787  10nF  [SC0603]  46.73 54.83 90 top
C790  10uF  [STC3528]  75.16 276.52 180 bottom
C791  0.01uF  [SC0603]  20.67 78.25 180 bottom
C792  0.1uF  [SC0603]  26.79 119.88 180 bottom
C793  10uF  [STC3528]  49.03 328.02 180 bottom
C794  0.01uF  [SC0603]  54.13 56.84 270 bottom
C796  10uF  [STC3528]  46.1 254.52 180 bottom
C797  10nF  [SC0603]  48.02 44.06 0 top
C798  100p  [SC0603]  33.25 41.9 270 top
C799  100p  [SC0603]  42.63 41.87 270 top
C800  0.01uF  [SC0603]  37.14 45.34 180 bottom
C801  0.1uF  [SC0603]  40.2 45.34 0 bottom
C802  0.1uF  [SC0603]  56.81 45.87 0 bottom
C803  0.01uF  [SC0603]  27.74 45.33 180 bottom
C804  0.1uF  [SC0603]  30.8 45.32 0 bottom
C805  10uF  [STC3528]  37.08 376.43 180 bottom
C806  10uF  [STC3528]  20.86 303.27 180 bottom
C807  0.01uF  [SC0603]  56.8 44.25 0 bottom
C808  10uF  [STC3528]  29.55 376.41 180 bottom
C809  0.01uF  [SC0603]  35.56 42.93 0 bottom
C810  0.1uF  [SC0603]  34.73 40.57 270 bottom
C811  10uF  [STC3528]  49.05 368.64 180 bottom
C812  0.01uF  [SC0603]  54.48 48.01 180 bottom
C813  0.1uF  [SC0603]  57.57 48.02 0 bottom
C814  0.01uF  [SC0603]  26.15 43.03 0 bottom
C815  0.1uF  [SC0603]  26.11 41.31 0 bottom
C816  10uF  [STC3528]  49.04 372.27 180 bottom
C817  10uF  [STC3528]  64.49 373.45 180 bottom
C818  10nF  [SC0603]  50.83 26.46 0 top
C819  100p  [SC0603]  32.93 24.25 270 top
C820  100p  [SC0603]  45.43 24.24 270 top
C821  0.01uF  [SC0603]  59.66 26.64 0 bottom
C822  0.1uF  [SC0603]  59.65 28.23 0 bottom
C823  10uF  [STC3528]  61.74 325.04 90 bottom
C824  0.01uF  [SC0603]  39.81 27.72 180 bottom
C825  0.1uF  [SC0603]  42.93 27.7 0 bottom
C826  10uF  [STC3528]  36.13 335.55 180 bottom
C827  0.01uF  [SC0603]  57.3 30.32 180 bottom
C828  0.1uF  [SC0603]  60.35 30.32 0 bottom
C829  10uF  [STC3528]  23.6 336.43 180 bottom
C830  0.01uF  [SC0603]  36.63 25.29 180 bottom
C831  0.1uF  [SC0603]  36.66 23.66 180 bottom
C832  10uF  [STC3528]  23.62 341.41 180 bottom
C833  0.01uF  [SC0603]  27.31 27.71 180 bottom
C834  0.1uF  [SC0603]  30.42 27.71 0 bottom
C835  10uF  [STC3528]  13.24 116.52 180 bottom
C836  0.01uF  [SC0603]  25.75 25.32 0 bottom
C837  0.1uF  [SC0603]  25.69 23.7 0 bottom
C838  10uF  [STC3528]  36.14 339.15 180 bottom
C839  1n  [SC0603]  43.05 17.06 0 top
C840  0.01uF  [SC0603]  38.26 18.82 180 bottom
C841  0.1uF  [SC0603]  41.36 18.82 0 bottom
C842  10uF  [STC3528]  12.11 138.33 180 bottom
C843  10nF  [SC0603]  46.75 20.04 270 top
C844  0.01uF  [SC0603]  48.18 20.65 90 bottom
C845  0.1uF  [SC0603]  48.33 13.6 270 bottom
C846  10uF  [STC3528]  77.35 365.8 180 bottom
C847  0.01uF  [SC0603]  36.67 16.44 0 bottom
C848  0.1uF  [SC0603]  36.65 14.72 0 bottom
C849  10uF  [STC3528]  74.83 359.2 180 bottom
C850  0.01uF  [SC0603]  49.96 21.39 90 bottom
C851  0.1uF  [SC0603]  50.11 13.06 270 bottom
C852  10uF  [STC3528]  23.65 345.2 180 bottom
C853  0.01uF  [SC0603]  52.54 20 0 bottom
C854  0.1uF  [SC0603]  52.61 14.18 0 bottom
C855  10uF  [STC3528]  58.84 343 180 bottom
C856  10nF  [SC0603]  46.75 14.22 90 top
C858  0.1uF  [SC0603]  34.23 364.72 180 bottom
C859  10uF  [STC3528]  51.36 377.77 180 bottom
C860  0.01uF  [SC0603]  20.08 115.09 180 bottom
C861  0.1uF  [SC0603]  20.66 119.12 180 bottom
C862  10uF  [STC3528]  49.52 333.89 270 bottom
C863  0.01uF  [SC0603]  54.15 16.39 270 bottom
C865  10uF  [STC3528]  58.82 346.6 180 bottom
C866  0.01uF  [SC0603]  77.12 345.66 90 bottom
C868  0.01uF  [SC0603]  76.96 330.71 90 bottom
C870  0.01uF  [SC0603]  78.57 290.44 180 bottom
C872  0.01uF  [SC0603]  75.19 242.61 90 bottom
C874  0.01uF  [SC0603]  74.39 210.74 90 bottom
C876  0.01uF  [SC0603]  74.96 165.01 90 bottom
C878  0.01uF  [SC0603]  75.36 123.92 90 bottom
C880  0.01uF  [SC0603]  74.6 87.33 0 bottom
C882  0.01uF  [SC0603]  75.87 42.61 90 bottom
C884  10u  [STC3528]  232.14 371.72 180 bottom
C885  1u  [SC0603]  241.24 373.32 0 bottom
C886  0.1u  [SC0603]  241.26 370.13 0 bottom
C887  10u  [STC3528]  232.16 366.63 180 bottom
C888  1u  [SC0603]  241.23 368.28 0 bottom
C889  0.1u  [SC0603]  241.27 365.22 0 bottom
C896  10u  [STC3528]  248.09 371.66 0 bottom
C897  1u  [SC0603]  257.42 373.34 0 bottom
C898  0.1u  [SC0603]  257.44 370.09 0 bottom
C899  10u  [STC3528]  248.13 366.61 0 bottom
C900  1u  [SC0603]  257.44 368.2 0 bottom
C901  0.1u  [SC0603]  257.45 365 0 bottom
C909  10u  [STC3528]  59.6 58.9 180 bottom
C910  1u  [SC0603]  155.45 354.16 90 bottom
C911  0.1u  [SC0603]  152.94 356.75 0 bottom
C912  10u  [STC3528]  171.49 363.53 0 bottom
C913  1u  [SC0603]  166.74 365.38 270 bottom
C914  0.1u  [SC0603]  164.84 365.35 270 bottom
C915  1u  [SC0603]  118.81 365.9 90 bottom
C916  47uF  [SD7344MM]  124.66 363.22 0 bottom
C917  0.1u  [SC0603]  117.06 363.95 90 bottom
C918  0.1uF  [SC0603]  116.47 353.81 0 bottom
C919  47uF  [SD7344MM]  113.97 348.26 270 bottom
C920  47uF  [SD7344MM]  103.36 358.13 180 bottom
C922  47uF  [SD7344MM]  256.8 349.02 270 bottom
C923  0.1uF  [SC0603]  256.59 341.19 90 bottom
C924  47uF  [SD7344MM]  253.35 320.57 90 bottom
C925  0.1uF  [SC0603]  255.88 325.95 180 bottom
C926  47uF  [SD7344MM]  248.27 320.58 90 bottom
C927  0.1uF  [SC0603]  245.97 325.91 0 bottom
C928  0.05u  [SC0603]  264.19 332.97 270 bottom
C929  0.1uF  [SC0603]  111.19 336.69 90 bottom
C930  47uF  [SD7344MM]  117.56 333.88 0 bottom
C931  10uF  [STC3528]  200.18 365.45 0 bottom
C932  0.1uF  [SC0603]  195.4 367.99 90 bottom
C933  0.1uF  [SC0603]  115.97 321.15 180 bottom
C934  47uF  [SD7344MM]  123.33 318.68 0 bottom
C935  0.1uF  [SC0603]  116.7 315.82 270 bottom
C936  47uF  [SD7344MM]  111.18 317.89 180 bottom
C937  10uF  [STC3528]  187.66 355.24 180 bottom
C938  0.1uF  [SC0603]  192.14 353.73 180 bottom
C939  0.1uF  [SC0603]  193.78 366.13 90 bottom
C940  0.1uF  [SC0603]  193.79 355.3 180 bottom
C941  0.1uF  [SC0603]  159.54 331.99 90 bottom
C942  47uF  [SD7344MM]  165.93 328.47 0 bottom
C943  47uF  [SD7344MM]  153.43 320.15 180 bottom
C944  0.1uF  [SC0603]  157.86 314.93 180 bottom
C945  0.1uF  [SC0603]  157.87 316.95 180 bottom
C946  47uF  [SD7344MM]  155.58 311.21 180 bottom
C960  1n  [SC0603]  74.42 26.78 0 top
C962  0.1uF  [SC0603]  72.8 91.35 270 bottom
C970  0.1uF  [SC0603]  55.92 240.1 90 bottom
C971  0.1uF  [SC0603]  55.23 242.43 0 bottom
C972  10uF  [STC3528]  39.24 144.39 180 bottom
C973  0.1uF  [SC0603]  55.87 117.34 90 bottom
C974  0.1uF  [SC0603]  55.13 119.81 0 bottom
C975  0.1uF  [SC0603]  69.1 363.88 180 bottom
C976  0.1uF  [SC0603]  66.02 363.88 0 bottom
C977  10uF  [STC3528]  62.13 91.42 180 bottom
C978  0.1uF  [SC0603]  34.1 212.99 90 bottom
C979  0.1uF  [SC0603]  32.44 214.53 270 bottom
C982  0.1uF  [SC0603]  58.5 362.96 90 top
C983  0.1uF  [SC0603]  55.08 365.38 90 bottom
C985  0.1uF  [SC0603]  58.52 239.97 90 top
C986  0.1uF  [SC0603]  58.5 117.28 90 top
C987  0.1uF  [SC0603]  35.89 212.15 90 top
C988  0.1uF  [SC0603]  63.79 240.88 180 bottom
C989  0.1uF  [SC0603]  58.47 367.34 90 top
C990  4.7uF  [STC3216]  68.45 240.88 0 bottom
C991  0.1uF  [SC0603]  64.73 117.43 270 bottom
C992  4.7uF  [STC3216]  68.65 118.21 0 bottom
C993  0.1uF  [SC0603]  41.92 213.81 90 bottom
C994  4.7uF  [STC3216]  43.91 211.48 270 bottom
C995  0.1uF  [SC0603]  58.48 244.34 90 top
C996  0.1uF  [SC0603]  58.46 121.67 90 top
C997  0.1uF  [SC0603]  35.92 216.52 90 top
C998  0.1uF  [SC0603]  55.94 199.42 90 bottom
C999  0.1uF  [SC0603]  55.19 201.78 0 bottom
C1000  10uF  [STC3528]  71.99 104.81 180 bottom
C1001  0.1uF  [SC0603]  55.96 76.74 90 bottom
C1002  0.1uF  [SC0603]  55.23 79.17 0 bottom
C1004  0.1uF  [SC0603]  56.75 322.71 90 bottom
C1005  0.1uF  [SC0603]  55.23 324.23 270 bottom
C1007  0.1uF  [SC0603]  58.5 326.13 270 top
C1008  0.1uF  [SC0603]  64.58 199.43 270 bottom
C1009  0.1uF  [SC0603]  58.48 321.77 270 top
C1010  4.7uF  [STC3216]  68.59 200.2 0 bottom
C1011  0.1uF  [SC0603]  58.44 203.68 270 top
C1012  0.1uF  [SC0603]  65.81 77.52 180 bottom
C1013  0.1uF  [SC0603]  64.58 321.92 270 bottom
C1014  4.7uF  [STC3216]  68.49 322.58 0 bottom
C1015  4.7uF  [STC3216]  68.55 76.19 270 bottom
C1016  0.1uF  [SC0603]  58.43 81.02 270 top
